# Altium PCB AIM2 REVB.PcbDoc (part 4 of 4)
Units mil, origin at the board's own origin, x right, y up, seen from the top; angles counter-clockwise.
Board outline 3797.01 x 3628.62 mil, 8 copper layers (TOP Copper, Internal Plane 2, Inner Layer 1, Internal Plane 4, Internal Plane 3, Inner Layer 2, Internal Plane 1, BOT Copper), stack 61.4 mil thick; 240 components, 185 nets, 1122 pads, 620 vias.
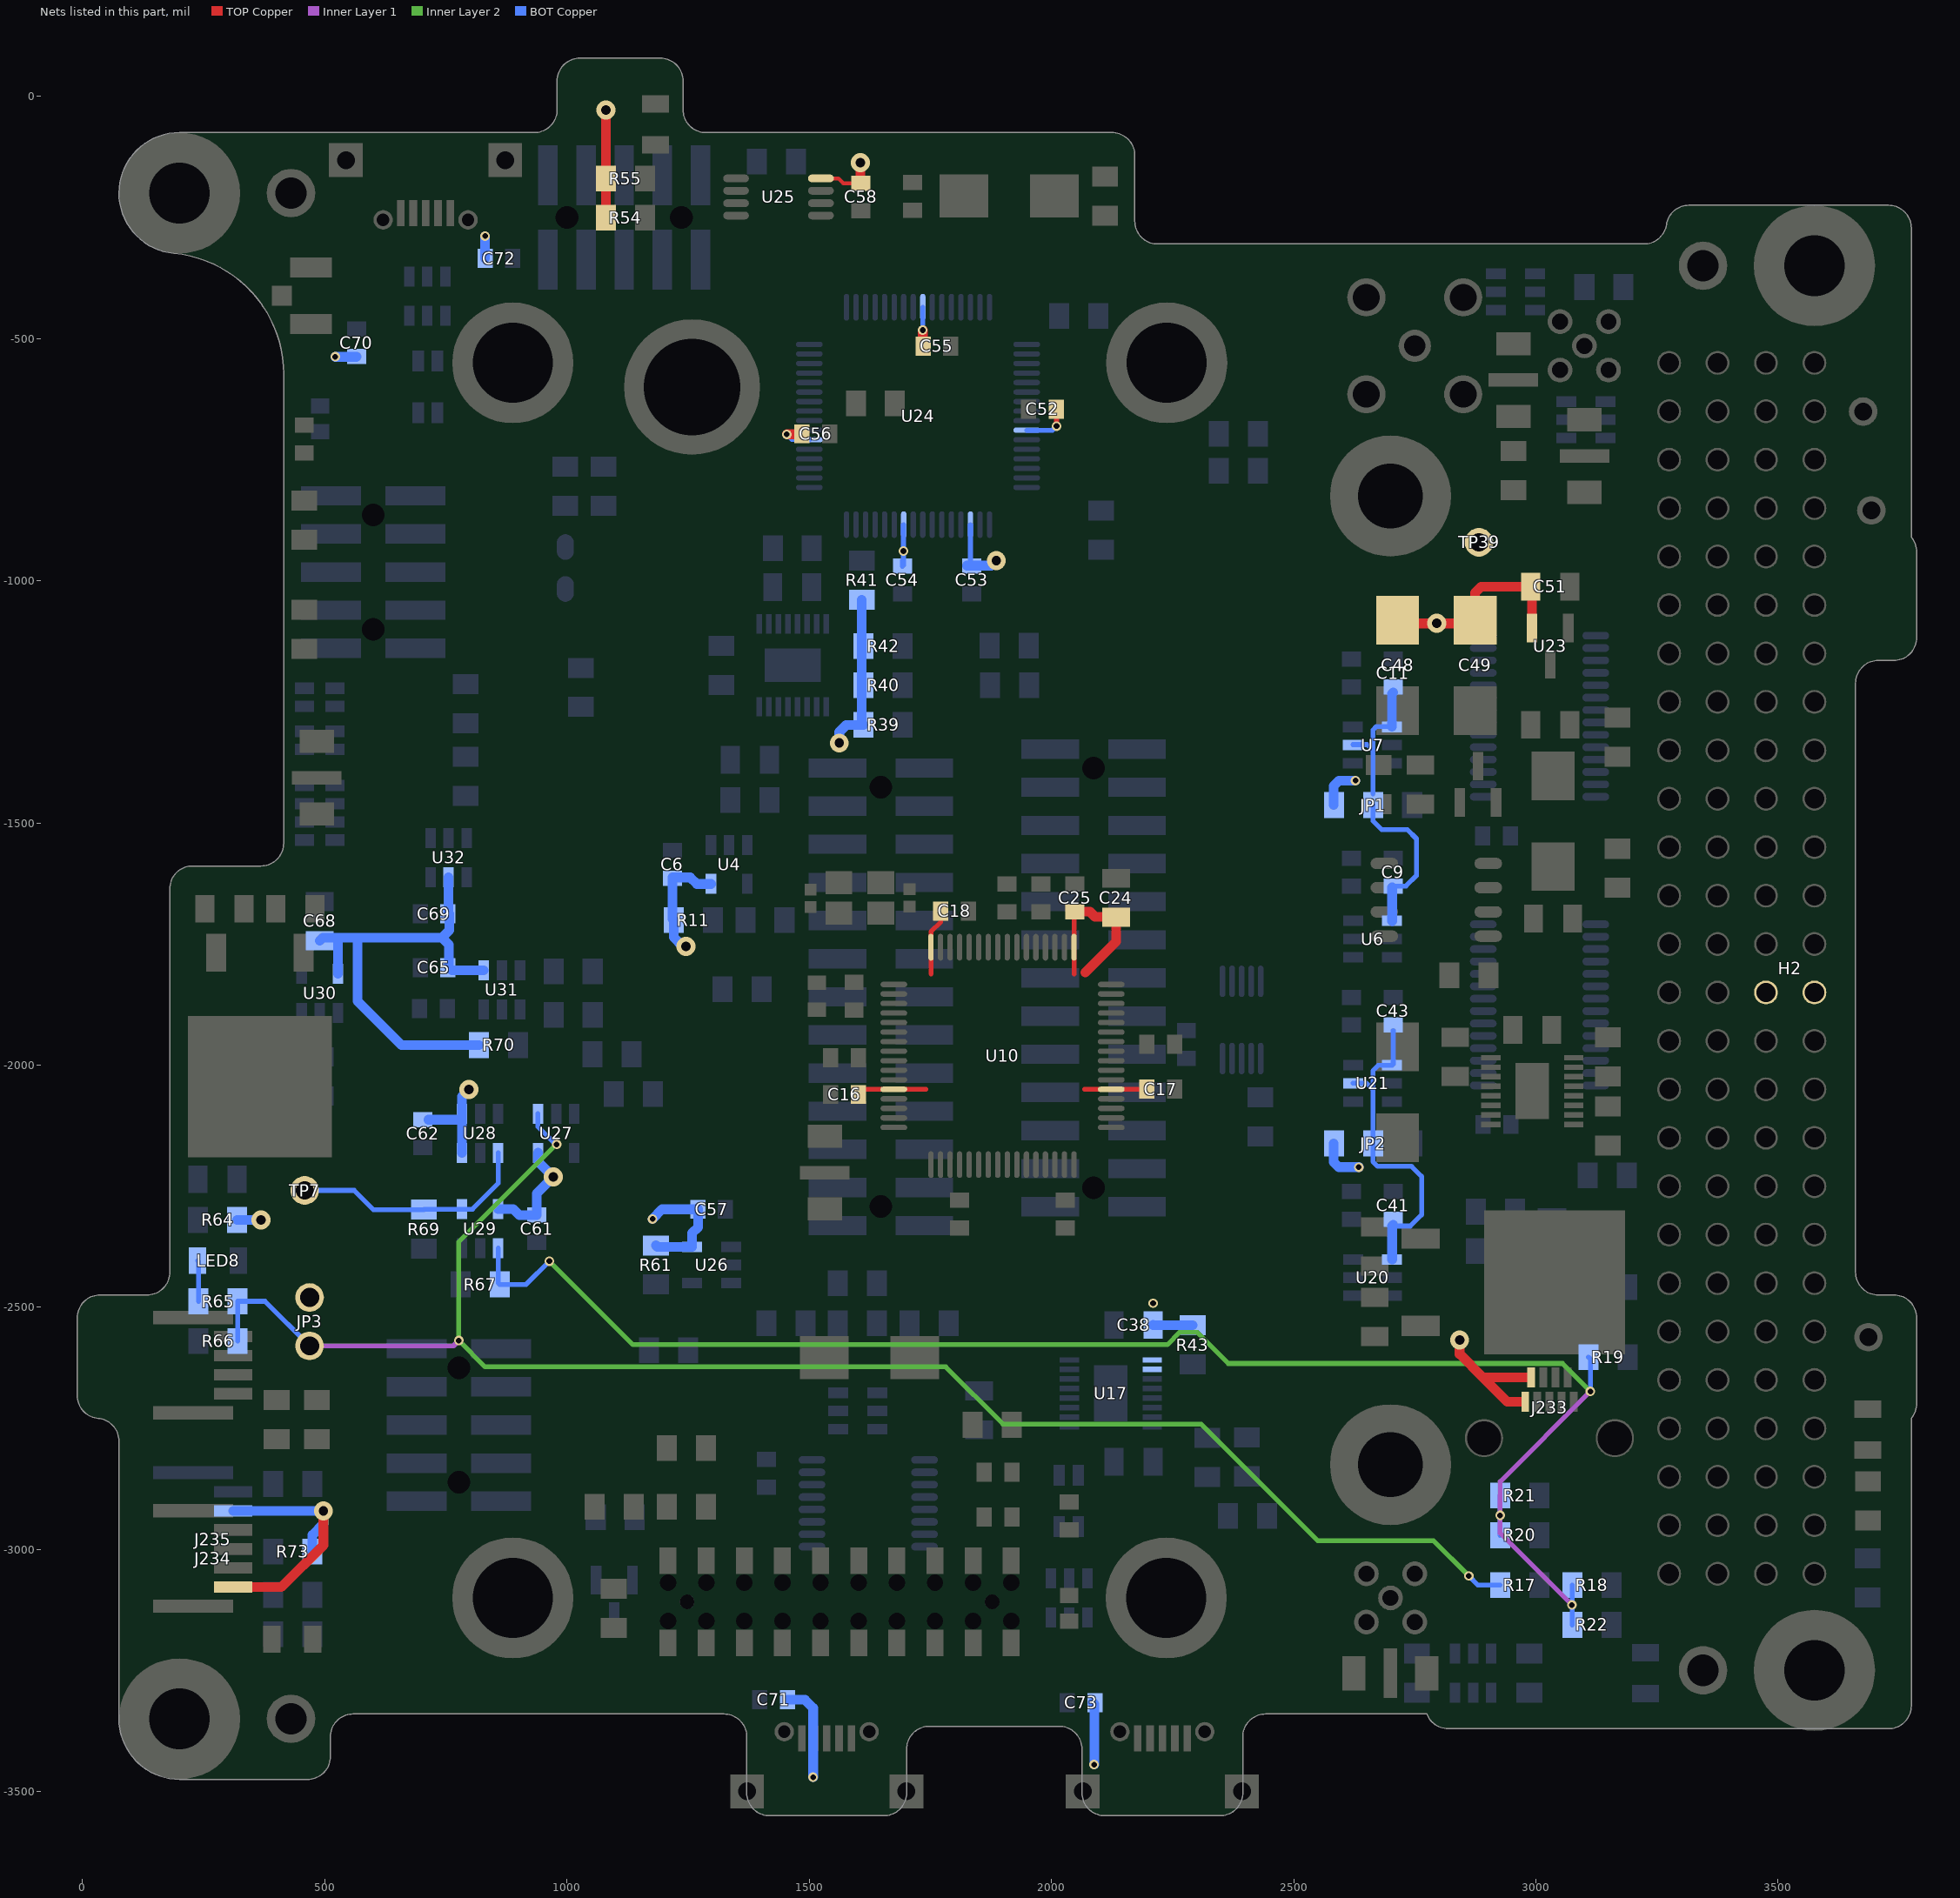
[diagram p10: the nets of this part, all layers, seen from the top]

## Via types
v1: diameter 19.68, hole 11.81, TOP Copper to BOT Copper, tented both sides, 337 vias
v2: diameter 30, hole 20, TOP Copper to BOT Copper, tented bottom, 144 vias
v3: diameter 39.37, hole 19.68, TOP Copper to BOT Copper, tented both sides, 83 vias
v4: diameter 30, hole 20, TOP Copper to BOT Copper, tented both sides, 56 vias

## Nets (pads, with @x,y where several pads share a name; then routed paths per layer and width w, separated by ;. In a path a pad name is that pad's centre, name@x,y a point inside that pad or via, vN(x,y) a via of type N, cw(c..) or ccw(c..) an arc to the next point about the centre after c; other vN are vias at no path point) (continued)
VCC_MCU: C6.2 C48.1 C49.1 C51.2 C52.2 C53.2 C54.2 C55.2 C56.2 C57.2 C58.2 C61.2 C62.2 J234.4 J235.5 JP1.1 JP2.1 JP3.1 R11.2 R39.2 R40.2 R41.2 R42.2 R54.2 R55.2 R61.2 R64.1 R73.2 TP39.1 U4.5 U23.2 U24.10 U24.19 U24.26 U24.38 U24.57 U25.8 U26.5 U27.5 U28.3 U28.4 U29.5 | length 3419.8
  TOP Copper w8: U25.8@1524.1,-169.24 1560.12,-169.24 1569.93,-179.05 C58.2@1606.5,-179.05
  TOP Copper w10: C55.2@1734.35,-515.04 C55.2@1734.93,-515.62 ; C52.2@2010.08,-645.62 2010.5,-646.05 v1(2010.5,-680.62)
  TOP Copper w20: J234.4@310.68,-3077.63 410.37,-3077.63 497.03,-2990.97 v3(497.03,-2920.15) ; R54.2@1080.15,-250.62 R55.2@1080.15,-169.62 v3(1080.15,-27.98) ; v1(1453.5,-697.62) 1483.93,-697.62 C56.2@1484.93,-696.62 ; v3(1605.5,-136.62) 1605.5,-178.05 C58.2@1606.5,-179.05 ; C55.2@1734.35,-515.04 v1(1734.35,-482.46) ; C48.1@2714.5,-1088.12 C49.1@2874.5,-1088.12 ; C49.1@2904.4,-1051.22 C49.1@2874.5,-1081.12 2874.5,-1024.62 2886.91,-1012.22 C51.2@2989.15,-1012.22 ; U23.2@2992.1,-1097.82 C51.2@2992.1,-1015.17
  BOT Copper w10: v1(1453.5,-697.62) 1464.5,-708.62 1499.88,-708.62 U24.38@1500.09,-708.83 ; C54.2@1692.5,-958.27 C54.2@1692.5,-970.05 1694.5,-968.05 v1(1694.5,-938.62) 1694.5,-884.5 U24.26@1694.98,-884.03 ; v1(1734.35,-482.46) U24.57@1734.35,-435.21 ; C53.2@1825.86,-968.62 C53.2@1832.86,-961.62 ; C53.2@1832.77,-961.53 U24.19@1832.77,-884.03 ; U24.10@1948.91,-689.15 2001.98,-689.15 v1(2010.5,-680.62)
  BOT Copper w20: J235.5@310.68,-2920.15 v3(497.03,-2920.15) 497.03,-2947.09 473.86,-2970.27 R73.2@473.86,-3004.62 ; R64.1@318.86,-2319.62 v3(368.5,-2319.62) ; C62.2@713.86,-2112.62 U28.4@779.5,-2112.62 ; U28.3@783.1,-2180.98 U28.4@783.1,-2100.27 783.1,-2065.02 v3(797.5,-2050.62) ; U29.5@857.91,-2297.27 889.15,-2297.27 901.5,-2309.62 937.5,-2309.62 C61.2@937.5,-2309.05 937.5,-2264.62 v3(971.5,-2230.62) 940.1,-2199.22 U27.5@940.1,-2180.98 ; v1(1176.5,-2317.62) 1196.5,-2297.62 C57.2@1269.93,-2297.62 1270.5,-2297.62 1270.5,-2334.62 1258.15,-2346.98 U26.5@1258.15,-2375.22 1186.46,-2375.22 R61.2@1183.5,-2372.27 ; v3(1245.5,-1754.62) 1238.5,-1754.62 1220.15,-1736.27 R11.2@1220.15,-1700.62 1217.5,-1697.98 C6.2@1217.5,-1614.2 1217.5,-1612.62 1254.5,-1612.62 1267.86,-1625.98 U4.5@1297.1,-1625.98 ; v3(1562,-1335) 1562,-1312 1576.38,-1297.62 R39.2@1612.15,-1297.62 1608.5,-1293.98 R41.2@1608.5,-1038.98 ; C53.2@1825.86,-968.62 1875.8,-968.62 v3(1886.15,-958.27) ; JP2.1@2582.8,-2161.62 2582.8,-2199.87 2593.54,-2210.62 v1(2634.5,-2210.62) ; JP1.1@2582.8,-1463.09 2582.8,-1423.33 2593.5,-1412.62 v1(2627.5,-1412.62)
  other v3: 2795.5,-1087.62
VCC_PIC: C65.2 C68.2 C69.2 R70.2 U30.5 U31.1 U32.5 | length 1023.2
  BOT Copper w20: C68.2@489.5,-1742.98 495.52,-1736.96 522.5,-1736.96 ; U30.5@526.91,-1811.27 526.91,-1741.36 522.5,-1736.96 ; U32.5@755.5,-1611.98 755.5,-1686.27 756.86,-1687.62 756.86,-1721.94 741.84,-1736.96 ; R70.2@818.15,-1958.62 658.5,-1958.62 567.5,-1867.62 567.5,-1736.96 ; U31.1@828.1,-1804.27 762.5,-1804.27 755.82,-1797.58 755.82,-1750.94 741.84,-1736.96 ; 522.5,-1736.96 567.5,-1736.96 ; 567.5,-1736.96 741.84,-1736.96
VCC_SYS: C38.2 C70.2 C71.2 C72.2 C73.2 H2.27 H2.28 J233.1 J233.6 R43.2 U17.1 U17.2 | length 801.4
  TOP Copper w20: v3(2842.5,-2567.62) 2842.5,-2596.62 2890.69,-2644.8 ; J233.1@2973.5,-2694.8 2940.69,-2694.8 2890.69,-2644.8 ; J233.6@2986.5,-2644.8 2890.69,-2644.8
  BOT Copper w20: v1(521.5,-537.62) 565.08,-537.62 C70.2@565.5,-537.2 ; C72.2@830.93,-334.62 v1(830.93,-288.42) ; C71.2@1455,-3310 1491,-3310 1508.05,-3327.05 v1@1508.05,-3470 ; C73.2@2085.57,-3316 2088.62,-3319.05 2088.62,-3443.38 v1(2088,-3444) ; C38.2@2209.86,-2536.52 2210.6,-2537.27 R43.2@2291.5,-2537.27
  other v1: 1508,-3470 2209.86,-2491.62
VCCA_ADCS: C9.2 C11.2 JP1.2 U6.1 U7.1 U7.5 | length 631.2
  BOT Copper w10: U7.5@2622.15,-1338.27 2651.5,-1338.27 2663.5,-1350.27 ; JP1.2@2663.5,-1463.09 2663.5,-1495.62 2681.5,-1513.62 2734.5,-1513.62 2753.5,-1532.62 2753.5,-1608.62 2731.93,-1630.2 C9.2@2705.5,-1630.2 ; JP1.2@2663.5,-1439.62 2663.5,-1350.27 ; U7.1@2702.86,-1300.87 2670.91,-1300.87 2663.5,-1308.27 2663.5,-1350.27
  BOT Copper w20: U7.1@2702.86,-1300.87 2702.86,-1233.27 C11.2@2705.5,-1230.62 ; U6.1@2703.21,-1702.22 C9.2@2703.21,-1633.27
VCCA_GPS: C41.2 C43.2 JP2.2 U20.1 U21.1 U21.5 | length 685.9
  BOT Copper w10: U21.5@2622.5,-2037.62 2650.5,-2037.62 2663.5,-2050.62 ; C41.2@2703.21,-2332.27 2740.86,-2332.27 2764.21,-2308.91 2764.21,-2229.91 2743.21,-2208.91 2673.21,-2208.91 2663.5,-2199.2 2663.5,-2050.62 ; C43.2@2705.5,-1928.98 2705.5,-1997.93 U21.1@2703.21,-2000.22 2674.91,-2000.22 2663.5,-2011.62 2663.5,-2050.62
  BOT Copper w20: U20.1@2703.21,-2401.22 2703.21,-2332.27 C41.2@2705.5,-2329.98
VCORE: C16.2 C17.2 C18.2 C24.2 C25.2 U10.12 U10.37 U10.49 U10.64 | length 784.5
  TOP Copper w10: C16.2@1590.86,-2049.62 1591.17,-2049.93 U10.12@1674.57,-2049.93 1740.5,-2049.93 ; 1751.34,-1811.46 U10.64@1751.34,-1756.62 1751.34,-1724.66 1771.42,-1704.57 C18.2@1771.42,-1682 ; 2046.61,-1811.51 U10.49@2046.61,-1756.62 2046.61,-1675.16 C25.2@2047.15,-1674.62 ; 2068.2,-2049.93 U10.37@2123.39,-2049.93 C17.2@2196.93,-2049.93
  TOP Copper w20: C25.2@2048.5,-1683.2 2079.2,-1683.2 2090,-1694 C24.2@2135,-1694 ; 2069.5,-1808.62 2133.5,-1744.62 C24.2@2133.5,-1694.98
WDI: R69.2 TP7.1 U28.1 U29.4 | length 501.4
  BOT Copper w10: TP7.1@458.5,-2258.62 560.5,-2258.62 600.15,-2298.27 R69.2@704.5,-2298.27 705.5,-2297.27 U29.4@783.1,-2297.27 804.73,-2297.27 857.91,-2244.09 U28.1@857.91,-2180.98
WDLED: LED8.2 R65.1 | length 84.7
  BOT Copper w10: LED8.2@237.38,-2403.62 239.15,-2405.39 R65.1@239.15,-2487.62
WDT: R18.2 R19.2 R20.2 R21.2 R22.2 R67.2 U29.1 | length 3296.1
  Inner Layer 1 w10: v1(3074.5,-3114.62) 2926.15,-2966.27 v1(2926.15,-2929.62) 2926.15,-2859.98 v1(3112.5,-2673.62)
  Inner Layer 2 w10: v1(963.5,-2404.62) 1135.88,-2577 2239.13,-2577 2264.5,-2551.62 2300.62,-2551.62 2365,-2616 3054.88,-2616 v1(3112.5,-2673.62)
  BOT Copper w10: U29.1@857.91,-2377.98 857.91,-2449.67 R67.2@860.86,-2452.62 915.5,-2452.62 v1(963.5,-2404.62) ; R20.2@2926.15,-2970.62 v1(2926.15,-2929.62) R21.2@2926.15,-2888.62 ; R22.2@3075.15,-3155.62 R18.2@3075.15,-3073.62 ; R19.2@3108.5,-2602.62 3112.5,-2606.62 v1(3112.5,-2673.62)
WDT_DIS: JP3.2 R17.1 R65.2 R66.2 U27.1 | length 3509.5
  Inner Layer 1 w10: JP3.2@468.5,-2579.62 765.5,-2579.62 v1(776.5,-2568.62)
  Inner Layer 2 w10: v1@978,-2163.12 776.5,-2364.62 v1(776.5,-2568.62) 830.88,-2623 1781.88,-2623 1899.82,-2740.94 2308.82,-2740.94 2549.5,-2981.62 2788.5,-2981.62 v1(2861.5,-3054.62)
  BOT Copper w10: R66.2@319.86,-2569.62 R65.2@319.86,-2487.62 376.5,-2487.62 JP3.2@468.5,-2579.62 ; U27.1@940.1,-2100.27 940.1,-2127.22 976.5,-2163.62 v1(978.5,-2163.62) ; v1(2861.5,-3054.62) 2880.5,-3073.62 R17.1@2926.15,-3073.62
pads on no net: H1.1 H1.2 H1.3 H1.4 H1.5 H1.6 H1.9 H1.10 H1.11 H1.12 H1.13 H1.14 H1.15 H1.16 H1.21 H1.22 H1.23 H1.24 H1.26 H1.27 H1.28 H1.30 H1.33 H1.34 H1.35 H1.36 H1.37 H1.38 H1.39 H1.40 H1.42 H1.44 H1.47 H2.1 H2.2 H2.3 H2.4 H2.5 H2.6 H2.7 H2.8 H2.9 H2.10 H2.11 H2.12 H2.13 H2.14 H2.19 H2.31 H2.33 H2.34 H2.35 H2.36 H2.37 H2.38 H2.39 H2.40 H2.41 H2.42 H2.43 H2.44 H2.45 H2.46 H2.48 H2.51 H2.52 H4. H5. H8. H10. H10.1 H10.2 H10.13 H10.15 H10.17 H10.19 H10.21 H10.23 H10.25 H10.26 H11. H11.7 H11.8 H11.9 H11.10 H11.11 H11.12 H11.13 H11.14 H11.15 H11.16 H11.17 H11.25 H11.26 J231.1.4 J231.2.4 J232.4 J238.1.4 J238.2.4 U1.11 U1.12 U1.13 U1.14 U1.15 U1.16 U2.9 U2.10 U2.11 U2.12 U2.13 U2.14 U5.3 U5.6 U5.9 U5.13 U5.14 U5.21 U5.24 U10.18 U10.19 U10.21 U10.22 U10.23 U10.24 U10.28 U10.29 U10.30 U10.32 U10.33 U10.34 U10.40 U10.41 U10.43 U10.44 U10.45 U10.46 U10.53 U10.54 U10.55 U10.57 U10.58 U10.59 U12. U12.1 U12.8 U12.20 U19.3 U19.4 U19.5 U19.13 U19.14 U19.25 U19.26 U24.35 U24.45 U24.51 U24.54 U24.58 U24.59 U25.1 U30.4 U33.9
copper on no net:
  other v3: 3208.5,-843.62

## Polygon pours and split planes (outlines as drawn)
GND on Top Solder "Top Copper -Solder mask" (solid): 542.5,-3344.62 1512.5,-3344.62 2253.5,-3344.62 2582.5,-3344.62 2582.5,-3035.22 cw(c2660.6,-3035.22) 2660.6,-2957.12 2749.4,-2957.12 ccw(c2749.4,-2879.02) 2827.5,-2879.02 2827.5,-2757.23 ccw(c2749.4,-2757.23) 2749.4,-2679.13 2685.6,-2679.13 cw(c2685.6,-2601.03) 2607.5,-2601.03 2607.5,-1048.21 cw(c2685.6,-1048.21) 2685.6,-970.11 2749.4,-970.11 ccw(c2749.4,-892.01) 2827.5,-892.01 2827.5,-770.22 ccw(c2749.4,-770.22) 2749.4,-692.12 2660.6,-692.12 cw(c2660.6,-614.02) 2582.5,-614.02 2582.5,-304.62 542.5,-304.62
VCORE on TOP Copper "Top Layer - VCORE" (solid, remove dead copper, pour order 0): 1740,-1784.62 1740,-1847.62 1702.5,-1885.12 1702.5,-2177.62 2095.5,-2177.62 2095.5,-1784.62
GND on TOP Copper "TOP Copper-GND" (solid, remove dead copper, pour order 10): 32,-2729.33 cw(c36,-2682.5) -11,-2682.5 -11,-2521.5 cw(c36,-2521.5) 36,-2474.5 133.02,-2474.5 ccw(c133.02,-2427.5) 180.02,-2427.5 180.02,-1635.69 cw(c226.89,-1635.69) 226.89,-1588.81 368.13,-1588.81 ccw(c368.13,-1541.94) 415,-1541.94 415,-572.98 ccw(c165,-572.98) 188.34,-324.08 cw(c200,-199.62) 200,-74.62 932.5,-74.62 ccw(c932.5,-27.62) 979.5,-27.62 979.5,32 cw(c1026.5,32) 1026.5,79 1192.5,79 cw(c1192.5,32) 1239.5,32 1239.5,-27.62 ccw(c1286.5,-27.62) 1286.5,-74.62 2243,-74.62 cw(c2243,-121.62) 2290,-121.62 2290,-257.62 ccw(c2337,-257.62) 2337,-304.62 3223.13,-304.62 ccw(c3223.13,-257.75) 3269.49,-264.67 cw(c3315.97,-271.62) 3315.97,-224.62 3728,-224.62 cw(c3728,-271.62) 3775,-271.62 3775,-909.5 cw(c3739.01,-939.72) 3786.01,-939.72 3786.01,-1117.5 cw(c3739.01,-1117.5) 3739.01,-1164.5 3707,-1164.5 ccw(c3707,-1211.5) 3660,-1211.5 3660,-2427.5 ccw(c3707,-2427.5) 3707,-2474.5 3739.01,-2474.5 cw(c3739.01,-2521.5) 3786.01,-2521.5 3786.01,-2699.28 cw(c3739.01,-2699.28) 3775,-2729.5 3775,-3323.01 cw(c3728,-3323.01) 3728,-3370.01 2818.97,-3370.01 cw(c2818.97,-3323.01) 2775,-3339.62 2422,-3339.62 ccw(c2422,-3386.62) 2375,-3386.62 2375,-3502.62 cw(c2328,-3502.62) 2328,-3549.62 1438.47,-3549.62 cw(c1438.47,-3502.62) 1391.47,-3502.62 1391.47,-3386.62 ccw(c1344.47,-3386.62) 1344.47,-3339.62 558.47,-3339.62 ccw(c558.47,-3386.62) 511.47,-3386.62 511.47,-3427.62 cw(c464.47,-3427.62) 464.47,-3474.62 200,-3474.62 cw(c200,-3349.62) 75,-3349.62 75,-2776.16 ccw(c28,-2776.16)
+5V_SW on BOT Copper "Bottom Layer +5V_SW" (solid, remove dead copper, pour order 8): 1417.86,-1404 1443,-1378.86 1443,-1295 1443,-1218 1363,-1218 1358,-1223 1358,-1297 1393,-1332 1393,-1404
+5V_ADCS_USB on BOT Copper "Bottom Layer +5V_ADCS_USB" (solid, remove dead copper, pour order 6): 1169,-855 1417,-855 1460,-898 1460,-1020 1479,-1039 1479,-1154.63 1347.63,-1154.63 1143,-950 1143,-881 1168,-856
3V3_GPS on BOT Copper "Bottom Layer - 3V3_GPS" (solid, remove dead copper, pour order 7): 2077.5,-2585.62 2077.5,-2770.62 2004.5,-2770.62 1957.5,-2770.62 1895.5,-2708.62 1890.5,-2703.62 1890.5,-2648.62 1953.5,-2585.62 1957.5,-2585.62
GND on BOT Copper "Bottom Layer - GND" (solid, remove dead copper, pour order 16): 32,-2729.33 cw(c36,-2682.5) -11,-2682.5 -11,-2521.5 cw(c36,-2521.5) 36,-2474.5 133.02,-2474.5 ccw(c133.02,-2427.5) 180.02,-2427.5 180.02,-1635.69 cw(c226.89,-1635.69) 226.89,-1588.81 368.13,-1588.81 ccw(c368.13,-1541.94) 415,-1541.94 415,-572.98 ccw(c165,-572.98) 188.34,-324.08 cw(c200,-199.62) 200,-74.62 932.5,-74.62 ccw(c932.5,-27.62) 979.5,-27.62 979.5,32 cw(c1026.5,32) 1026.5,79 1192.5,79 cw(c1192.5,32) 1239.5,32 1239.5,-27.62 ccw(c1286.5,-27.62) 1286.5,-74.62 2243,-74.62 cw(c2243,-121.62) 2290,-121.62 2290,-257.62 ccw(c2337,-257.62) 2337,-304.62 3223.13,-304.62 ccw(c3223.13,-257.75) 3269.49,-264.67 cw(c3315.97,-271.62) 3315.97,-224.62 3728,-224.62 cw(c3728,-271.62) 3775,-271.62 3775,-909.5 cw(c3739.01,-939.72) 3786.01,-939.72 3786.01,-1117.5 cw(c3739.01,-1117.5) 3739.01,-1164.5 3707,-1164.5 ccw(c3707,-1211.5) 3660,-1211.5 3660,-2427.5 ccw(c3707,-2427.5) 3707,-2474.5 3739.01,-2474.5 cw(c3739.01,-2521.5) 3786.01,-2521.5 3786.01,-2699.28 cw(c3739.01,-2699.28) 3775,-2729.5 3775,-3323.01 cw(c3728,-3323.01) 3728,-3370.01 2818.97,-3370.01 cw(c2818.97,-3323.01) 2775,-3339.62 2422,-3339.62 ccw(c2422,-3386.62) 2375,-3386.62 2375,-3502.62 cw(c2328,-3502.62) 2328,-3549.62 1438.47,-3549.62 cw(c1438.47,-3502.62) 1391.47,-3502.62 1391.47,-3386.62 ccw(c1344.47,-3386.62) 1344.47,-3339.62 558.47,-3339.62 ccw(c558.47,-3386.62) 511.47,-3386.62 511.47,-3427.62 cw(c464.47,-3427.62) 464.47,-3474.62 200,-3474.62 cw(c200,-3349.62) 75,-3349.62 75,-2776.16 ccw(c28,-2776.16)
ADCS_USB_V+ on Inner Layer 1 "Inner Layer 1 - 5V_ADCS_USB" (solid, remove dead copper, pour order 1): 1472.5,-2982.62 1472.5,-3549.62 1701,-3549.62 1701,-3050 1633.62,-2982.62
+5V_USB on Inner Layer 1 "Inner Layer 1 - +5V_USB" (solid, remove dead copper, pour order 2): 32,-2729.33 cw(c36,-2682.5) -11,-2682.5 -11,-2521.5 cw(c36,-2521.5) 36,-2474.5 133.02,-2474.5 ccw(c133.02,-2427.5) 180.02,-2427.5 180.02,-1635.69 cw(c226.89,-1635.69) 226.89,-1588.81 368.13,-1588.81 ccw(c368.13,-1541.94) 415,-1541.94 415,-572.98 ccw(c165,-572.98) 188.34,-324.08 cw(c200,-199.62) 200,-74.62 932.5,-74.62 ccw(c932.5,-27.62) 979.5,-27.62 979.5,32 cw(c1026.5,32) 1026.5,79 1192.5,79 cw(c1192.5,32) 1239.5,32 1239.5,-27.62 ccw(c1286.5,-27.62) 1286.5,-74.62 2243,-74.62 cw(c2243,-121.62) 2290,-121.62 2290,-257.62 ccw(c2337,-257.62) 2337,-304.62 3223.13,-304.62 ccw(c3223.13,-257.75) 3269.49,-264.67 cw(c3315.97,-271.62) 3315.97,-224.62 3728,-224.62 cw(c3728,-271.62) 3775,-271.62 3775,-909.5 cw(c3739.01,-939.72) 3786.01,-939.72 3786.01,-1117.5 cw(c3739.01,-1117.5) 3739.01,-1164.5 3707,-1164.5 ccw(c3707,-1211.5) 3660,-1211.5 3660,-2427.5 ccw(c3707,-2427.5) 3707,-2474.5 3739.01,-2474.5 cw(c3739.01,-2521.5) 3786.01,-2521.5 3786.01,-2699.28 cw(c3739.01,-2699.28) 3775,-2729.5 3775,-3323.01 cw(c3728,-3323.01) 3728,-3370.01 2818.97,-3370.01 cw(c2818.97,-3323.01) 2775,-3339.62 2422,-3339.62 ccw(c2422,-3386.62) 2375,-3386.62 2375,-3502.62 cw(c2328,-3502.62) 2328,-3549.62 1438.47,-3549.62 cw(c1438.47,-3502.62) 1391.47,-3502.62 1391.47,-3386.62 ccw(c1344.47,-3386.62) 1344.47,-3339.62 558.47,-3339.62 ccw(c558.47,-3386.62) 511.47,-3386.62 511.47,-3427.62 cw(c464.47,-3427.62) 464.47,-3474.62 200,-3474.62 cw(c200,-3349.62) 75,-3349.62 75,-2776.16 ccw(c28,-2776.16)
GND on Inner Layer 1 "Inner Layer 1 - GND" (solid, remove dead copper, pour order 12): 32,-2729.33 cw(c36,-2682.5) -11,-2682.5 -11,-2521.5 cw(c36,-2521.5) 36,-2474.5 133.02,-2474.5 ccw(c133.02,-2427.5) 180.02,-2427.5 180.02,-1635.69 cw(c226.89,-1635.69) 226.89,-1588.81 368.13,-1588.81 ccw(c368.13,-1541.94) 415,-1541.94 415,-572.98 ccw(c165,-572.98) 188.34,-324.08 cw(c200,-199.62) 200,-74.62 932.5,-74.62 ccw(c932.5,-27.62) 979.5,-27.62 979.5,32 cw(c1026.5,32) 1026.5,79 1192.5,79 cw(c1192.5,32) 1239.5,32 1239.5,-27.62 ccw(c1286.5,-27.62) 1286.5,-74.62 2243,-74.62 cw(c2243,-121.62) 2290,-121.62 2290,-257.62 ccw(c2337,-257.62) 2337,-304.62 3223.13,-304.62 ccw(c3223.13,-257.75) 3269.49,-264.67 cw(c3315.97,-271.62) 3315.97,-224.62 3728,-224.62 cw(c3728,-271.62) 3775,-271.62 3775,-909.5 cw(c3739.01,-939.72) 3786.01,-939.72 3786.01,-1117.5 cw(c3739.01,-1117.5) 3739.01,-1164.5 3707,-1164.5 ccw(c3707,-1211.5) 3660,-1211.5 3660,-2427.5 ccw(c3707,-2427.5) 3707,-2474.5 3739.01,-2474.5 cw(c3739.01,-2521.5) 3786.01,-2521.5 3786.01,-2699.28 cw(c3739.01,-2699.28) 3775,-2729.5 3775,-3323.01 cw(c3728,-3323.01) 3728,-3370.01 2818.97,-3370.01 cw(c2818.97,-3323.01) 2775,-3339.62 2422,-3339.62 ccw(c2422,-3386.62) 2375,-3386.62 2375,-3502.62 cw(c2328,-3502.62) 2328,-3549.62 1438.47,-3549.62 cw(c1438.47,-3502.62) 1391.47,-3502.62 1391.47,-3386.62 ccw(c1344.47,-3386.62) 1344.47,-3339.62 558.47,-3339.62 ccw(c558.47,-3386.62) 511.47,-3386.62 511.47,-3427.62 cw(c464.47,-3427.62) 464.47,-3474.62 200,-3474.62 cw(c200,-3349.62) 75,-3349.62 75,-2776.16 ccw(c28,-2776.16)
+5V_SYS on Inner Layer 2 "Inner Layer 2 +5V SYS" (solid, remove dead copper, pour order 4): 32,-2729.33 cw(c36,-2682.5) -11,-2682.5 -11,-2521.5 cw(c36,-2521.5) 36,-2474.5 133.02,-2474.5 ccw(c133.02,-2427.5) 180.02,-2427.5 180.02,-1635.69 cw(c226.89,-1635.69) 226.89,-1588.81 368.13,-1588.81 ccw(c368.13,-1541.94) 415,-1541.94 415,-572.98 ccw(c165,-572.98) 188.34,-324.08 cw(c200,-199.62) 200,-74.62 932.5,-74.62 ccw(c932.5,-27.62) 979.5,-27.62 979.5,32 cw(c1026.5,32) 1026.5,79 1192.5,79 cw(c1192.5,32) 1239.5,32 1239.5,-27.62 ccw(c1286.5,-27.62) 1286.5,-74.62 2243,-74.62 cw(c2243,-121.62) 2290,-121.62 2290,-257.62 ccw(c2337,-257.62) 2337,-304.62 3223.13,-304.62 ccw(c3223.13,-257.75) 3269.49,-264.67 cw(c3315.97,-271.62) 3315.97,-224.62 3728,-224.62 cw(c3728,-271.62) 3775,-271.62 3775,-909.5 cw(c3739.01,-939.72) 3786.01,-939.72 3786.01,-1117.5 cw(c3739.01,-1117.5) 3739.01,-1164.5 3707,-1164.5 ccw(c3707,-1211.5) 3660,-1211.5 3660,-2427.5 ccw(c3707,-2427.5) 3707,-2474.5 3739.01,-2474.5 cw(c3739.01,-2521.5) 3786.01,-2521.5 3786.01,-2699.28 cw(c3739.01,-2699.28) 3775,-2729.5 3775,-3323.01 cw(c3728,-3323.01) 3728,-3370.01 2818.97,-3370.01 cw(c2818.97,-3323.01) 2775,-3339.62 2422,-3339.62 ccw(c2422,-3386.62) 2375,-3386.62 2375,-3502.62 cw(c2328,-3502.62) 2328,-3549.62 1438.47,-3549.62 cw(c1438.47,-3502.62) 1391.47,-3502.62 1391.47,-3386.62 ccw(c1344.47,-3386.62) 1344.47,-3339.62 558.47,-3339.62 ccw(c558.47,-3386.62) 511.47,-3386.62 511.47,-3427.62 cw(c464.47,-3427.62) 464.47,-3474.62 200,-3474.62 cw(c200,-3349.62) 75,-3349.62 75,-2776.16 ccw(c28,-2776.16)
GND on Inner Layer 2 "Inner Layer 2 - GND" (solid, remove dead copper, pour order 14): 32,-2729.33 cw(c36,-2682.5) -11,-2682.5 -11,-2521.5 cw(c36,-2521.5) 36,-2474.5 133.02,-2474.5 ccw(c133.02,-2427.5) 180.02,-2427.5 180.02,-1635.69 cw(c226.89,-1635.69) 226.89,-1588.81 368.13,-1588.81 ccw(c368.13,-1541.94) 415,-1541.94 415,-572.98 ccw(c165,-572.98) 188.34,-324.08 cw(c200,-199.62) 200,-74.62 932.5,-74.62 ccw(c932.5,-27.62) 979.5,-27.62 979.5,32 cw(c1026.5,32) 1026.5,79 1192.5,79 cw(c1192.5,32) 1239.5,32 1239.5,-27.62 ccw(c1286.5,-27.62) 1286.5,-74.62 2243,-74.62 cw(c2243,-121.62) 2290,-121.62 2290,-257.62 ccw(c2337,-257.62) 2337,-304.62 3223.13,-304.62 ccw(c3223.13,-257.75) 3269.49,-264.67 cw(c3315.97,-271.62) 3315.97,-224.62 3728,-224.62 cw(c3728,-271.62) 3775,-271.62 3775,-909.5 cw(c3739.01,-939.72) 3786.01,-939.72 3786.01,-1117.5 cw(c3739.01,-1117.5) 3739.01,-1164.5 3707,-1164.5 ccw(c3707,-1211.5) 3660,-1211.5 3660,-2427.5 ccw(c3707,-2427.5) 3707,-2474.5 3739.01,-2474.5 cw(c3739.01,-2521.5) 3786.01,-2521.5 3786.01,-2699.28 cw(c3739.01,-2699.28) 3775,-2729.5 3775,-3323.01 cw(c3728,-3323.01) 3728,-3370.01 2818.97,-3370.01 cw(c2818.97,-3323.01) 2775,-3339.62 2422,-3339.62 ccw(c2422,-3386.62) 2375,-3386.62 2375,-3502.62 cw(c2328,-3502.62) 2328,-3549.62 1438.47,-3549.62 cw(c1438.47,-3502.62) 1391.47,-3502.62 1391.47,-3386.62 ccw(c1344.47,-3386.62) 1344.47,-3339.62 558.47,-3339.62 ccw(c558.47,-3386.62) 511.47,-3386.62 511.47,-3427.62 cw(c464.47,-3427.62) 464.47,-3474.62 200,-3474.62 cw(c200,-3349.62) 75,-3349.62 75,-2776.16 ccw(c28,-2776.16)
GND on Internal Plane 2 (split plane): 604 vertices, not listed, extent 9.05,-3529.57 3765.96,58.95
+5V_SW on Internal Plane 4 (split plane): 3080.9,-1933.23 3082.55,-1934.33 3084.5,-1934.72 3639.91,-1934.72 3639.91,-2427.5 3639.94,-2427.83 3640.25,-2434.08 3641.21,-2440.59 3642.81,-2446.98 3645.03,-2453.17 3647.84,-2459.13 3651.23,-2464.77 3655.15,-2470.06 3659.57,-2474.94 3664.45,-2479.36 3669.74,-2483.28 3675.38,-2486.66 3681.33,-2489.48 3687.53,-2491.7 3693.92,-2493.3 3700.43,-2494.26 3706.68,-2494.57 3707,-2494.6 3739.01,-2494.6 3739.46,-2494.56 3743.23,-2494.85 3747.35,-2495.84 3751.26,-2497.46 3754.87,-2499.67 3758.09,-2502.42 3760.84,-2505.64 3763.05,-2509.25 3764.67,-2513.17 3765.66,-2517.28 3765.96,-2521.05 3765.91,-2521.5 3765.91,-2635.52 3054.62,-2635.52 2828.11,-2409.02 2826.46,-2407.91 2824.5,-2407.52 1929.62,-2407.52 1311.6,-1789.51 1311.6,-1541.73 1429.62,-1423.72 2571.39,-1423.72
VCC_SYS on Internal Plane 4 (split plane): 599 vertices, not listed, extent 9.05,-3529.57 3765.96,58.95
3V3_ADCS_USB on Internal Plane 3 (split plane): 2382.41,-1708.73 2382.41,-2423.51 1808.39,-2997.52 1522.62,-2997.52 1310.6,-2785.51 1310.6,-2249.62 1310.6,-2240.62 1310.21,-2238.67 1309.11,-2237.02 1064.11,-1992.02 1062.46,-1990.91 1060.5,-1990.52 200.11,-1990.52 200.11,-1635.69 200.07,-1635.24 200.36,-1631.48 201.35,-1627.39 202.96,-1623.49 205.16,-1619.9 207.9,-1616.69 211.1,-1613.96 214.7,-1611.75 218.59,-1610.14 222.69,-1609.16 226.44,-1608.86 226.89,-1608.91 368.13,-1608.91 368.46,-1608.87 374.69,-1608.57 381.19,-1607.6 387.57,-1606.01 393.75,-1603.79 399.69,-1600.98 405.33,-1597.61 410.61,-1593.69 415.47,-1589.28 419.89,-1584.41 423.8,-1579.13 427.18,-1573.5 429.99,-1567.56 432.2,-1561.37 433.8,-1555 434.76,-1548.5 435.07,-1542.26 435.1,-1541.94 435.1,-1520.72 524.39,-1520.72 693.8,-1690.13 847.9,-1844.23 849.55,-1845.33 851.5,-1845.72 1284.5,-1845.72 1286.46,-1845.33 1288.11,-1844.23 1309.11,-1823.23 1310.21,-1821.57 1310.6,-1819.62 1310.6,-1552.73 1384.62,-1478.72 2152.39,-1478.72
+5V_SYS on Internal Plane 3 (split plane): 3732.23,-244.97 3736.34,-245.96 3740.25,-247.58 3743.86,-249.79 3747.08,-252.54 3749.83,-255.76 3752.05,-259.37 3753.67,-263.28 3754.66,-267.4 3754.95,-271.17 3754.91,-271.62 3754.91,-909.5 3755.29,-913.42 3756.44,-917.19 3758.29,-920.67 3759.69,-922.36 3759.61,-922.43 3760.84,-923.86 3763.05,-927.47 3764.67,-931.39 3765.66,-935.5 3765.96,-939.27 3765.91,-939.72 3765.91,-1117.5 3765.96,-1117.95 3765.66,-1121.72 3764.67,-1125.84 3763.05,-1129.75 3760.84,-1133.36 3758.09,-1136.58 3754.87,-1139.33 3751.26,-1141.55 3747.35,-1143.17 3743.23,-1144.15 3739.46,-1144.45 3739.01,-1144.41 3707,-1144.41 3706.68,-1144.44 3700.43,-1144.75 3693.92,-1145.71 3687.53,-1147.31 3681.33,-1149.53 3675.38,-1152.34 3669.74,-1155.73 3664.45,-1159.65 3659.57,-1164.07 3655.15,-1168.95 3651.23,-1174.24 3647.84,-1179.88 3645.03,-1185.83 3642.81,-1192.03 3641.21,-1198.42 3640.25,-1204.93 3639.94,-1211.18 3639.91,-1211.5 3639.91,-2427.5 3639.94,-2427.83 3640.25,-2434.08 3641.21,-2440.59 3642.81,-2446.98 3645.03,-2453.17 3647.84,-2459.13 3651.23,-2464.77 3655.15,-2470.06 3659.57,-2474.94 3664.45,-2479.36 3669.74,-2483.28 3675.38,-2486.66 3681.33,-2489.48 3687.53,-2491.7 3693.92,-2493.3 3700.43,-2494.26 3706.68,-2494.57 3707,-2494.6 3739.01,-2494.6 3739.46,-2494.56 3743.23,-2494.85 3747.35,-2495.84 3751.26,-2497.46 3754.87,-2499.67 3758.09,-2502.42 3760.84,-2505.64 3763.05,-2509.25 3764.67,-2513.17 3765.66,-2517.28 3765.96,-2521.05 3765.91,-2521.5 3765.91,-2699.28 3765.96,-2699.73 3765.66,-2703.5 3764.67,-2707.62 3763.05,-2711.53 3760.84,-2715.14 3759.61,-2716.58 3759.69,-2716.64 3758.29,-2718.34 3756.44,-2721.81 3755.29,-2725.58 3754.91,-2729.5 3754.91,-3323.01 3754.95,-3323.46 3754.66,-3327.23 3753.67,-3331.35 3752.05,-3335.26 3749.83,-3338.87 3747.08,-3342.09 3743.86,-3344.84 3740.25,-3347.05 3736.34,-3348.67 3732.23,-3349.66 3728.46,-3349.95 3728,-3349.91 3101.6,-3349.91 3101.6,-324.72 3223.13,-324.72 3223.46,-324.69 3229.69,-324.38 3236.19,-323.42 3242.57,-321.82 3248.75,-319.61 3254.69,-316.8 3260.33,-313.42 3265.61,-309.5 3270.47,-305.09 3274.89,-300.22 3278.8,-294.95 3282.18,-289.31 3284.99,-283.37 3287.2,-277.18 3288.8,-270.81 3289.06,-269.07 3289.2,-268.6 3289.29,-267.63 3289.3,-267.64 3289.32,-267.4 3290.31,-263.28 3291.93,-259.37 3294.14,-255.76 3296.89,-252.54 3300.11,-249.79 3303.72,-247.58 3307.64,-245.96 3311.75,-244.97 3315.52,-244.67 3315.97,-244.72 3728,-244.72 3728.46,-244.67
VCC_MCU on Internal Plane 3 (split plane): 466 vertices, not listed, extent 9.05,-3529.57 3091.41,58.95
GND on Internal Plane 1 (split plane): 604 vertices, not listed, extent 9.05,-3529.57 3765.96,58.95

## Keep-outs
BOT Copper:
  rectangle: 3739,-2730 3786,-2475
  rectangle: 3739,-1165 3786,-910
  rectangle: 980,32 1240,79
  rectangle: -11,-2730 36,-2475
Internal Plane 1:
  rectangle: 502.5,-415.62 537.5,-355.62
  rectangle: 2077.5,-3466.62 2122.5,-3420.62
Keep-Out Layer:
  the board outline again, w10
  text "'.PartNumber''.ProjectRevision'" at 169,520.66 h196.85

## Other copper
TOP Copper:
  rectangle: 200.05,-3474.62 500,-3224.62
  rectangle: 200.05,-324.62 500,-74.62
  region: 3575.05,-224.62 3275,-224.62 3275,-474.62 3575.05,-474.62
  region: 3275,-3370.01 3275,-3124.62 3575,-3124.62 cw(c3575,-3249.62) 3608.65,-3370.01
  text "Layer 1 (TOP)" at 1227.06,515.38 h196.85
  text "GND" at 110.5,-2851.62 h39.37
Inner Layer 1:
  text "Layer 3" at 1227.06,528.68 h196.85
  text "+5V_USB" at 3376.5,-3136.62 h39.37
Inner Layer 2:
  text "Layer 6" at 1227.06,530.32 h196.85
  text "+5V_SYS" at 277,-305 h39.37
BOT Copper:
  rectangle: 200.05,-3474.62 500,-3224.62
  rectangle: 200.05,-324.62 500,-74.62
  region: 3575.05,-224.62 3275,-224.62 3275,-474.62 3575.05,-474.62
  rectangle net 3V3_GPS_USB: 2187.5,-2848.62 2283.5,-2727.62
  rectangle net VCC_SYS: 2187.5,-2633.62 2229.5,-2473.62
  region: 3275,-3370.01 3275,-3124.62 3575,-3124.62 cw(c3575,-3249.62) 3608.65,-3370.01
  text "Layer 8 (BOTTOM)" at 1227.06,515.38 h196.85
  text "GND" at 1751,-210 h39.37
Internal Plane 2 (plane layer: these items are gaps in the copper):
  text "Layer 2 (GND)" at 1227.06,515.38 h196.85
  text "GND" at 115.5,-2852.62 h39.37
Internal Plane 1 (plane layer: these items are gaps in the copper):
  text "Layer 7 (GND)" at 1227.06,515.38 h196.85
  text "GND" at 31.5,-2685.62 h39.37
Internal Plane 3 (plane layer: these items are gaps in the copper):
  lines w10: 177.5,-1993.62 179.5,-1995.62 1060.5,-1995.62 1305.5,-2240.62 1305.5,-2260.62 ; 405.5,-1575.62 405.5,-1515.62 526.5,-1515.62 697.41,-1686.52 851.5,-1840.62 951.5,-1840.62 1284.5,-1840.62 1305.5,-1819.62 1305.5,-1550.62 1382.5,-1473.62 2154.5,-1473.62 2387.5,-1706.62 2387.5,-2425.62 1810.5,-3002.62 1520.5,-3002.62 1305.5,-2787.62 1305.5,-2249.62 ; 3096.5,-3375.62 3096.5,-311.62
  text "Layer 5 (PWR)" at 1227.06,515.38 h196.85
  text "3V3_ / ADCS / _USB" at 1993.5,-1683.62 h39.37
  text "VCC_MCU" at 25.5,-2686.62 h39.37
  text "+5V_SYS" at 3335.5,-3158.62 h39.37
Internal Plane 4 (plane layer: these items are gaps in the copper):
  lines w10: 3660.5,-1929.62 3084.5,-1929.62 2573.5,-1418.62 1427.5,-1418.62 1306.5,-1539.62 1306.5,-1791.62 1927.5,-2412.62 2824.5,-2412.62 3052.5,-2640.62 3783.5,-2640.62
  text "Layer 4 (PWR)" at 1227.06,515.38 h196.85
  text "+5V_SW" at 1952.5,-2389.62 h39.37
  text "VCC_SYS" at 49.5,-2696.62 h39.37

## Silkscreen, mask and mechanical layers (free items; w line width, h text height)
Top Overlay:
  circle w15: c3153.5,-3260.62 r40
  lines w10: 2988.5,-3260.62 3003.5,-3260.62 ; 2988.5,-3260.62 3023.5,-3225.62 3023.5,-3295.62 2988.5,-3260.62 ; 3003.5,-3260.62 3003.5,-3255.62 3018.5,-3240.62 3018.5,-3280.62 3003.5,-3265.62 3003.5,-3260.62 ; 3153.5,-3110.62 3153.5,-3095.62 ; 3153.5,-3110.62 3148.5,-3110.62 3133.5,-3125.62 3173.5,-3125.62 3158.5,-3110.62 3153.5,-3110.62 ; 3153.5,-3095.62 3118.5,-3130.62 3188.5,-3130.62 3153.5,-3095.62
  lines w20: 3003.5,-3260.62 3153.5,-3260.62 3153.5,-3110.62
  text "Top Silkscreen" at 1227.06,520.66 h196.85
  text "X" at 3121.5,-3089.62 h30
  text "DJW" at 3757.5,-3178.62 h39.37 r90
  text "Y" at 2934.5,-3279.62 h30
  text "Z" at 3172.5,-3330.62 h30
Bottom Overlay:
  rectangle: 1842.04,-280.11 2137.31,-96.05
  rectangle: 2931.68,-951.11 3226.96,-767.05
  rectangle: 1509.39,-280.11 1804.67,-96.05
  lines w6.57: 2364.43,-1547.36 2364.43,-816.29 ; 2371,-1547.36 2371,-816.29 ; 2311.86,-1547.36 2537.75,-1547.36 2537.75,-816.29 2311.86,-816.29 2311.86,-1547.36
  lines w10: 1331,-971 1570,-971
  text "Bottom Silkscreen" at 1227.06,520.66 h196.85
  text "Bottom Silkscreen" at 4567.48,520.66 h196.85
  text "S/N" at 1509.39,-290.6 h39.37 r180
  text "MOD LVL" at 1840.07,-290.6 h39.37 r180
  text "X1" at 452.5,-411.62 h39.37 r270
  text "TM" at 2522.23,-809.4 h28.75 r270
  text "ASSY REV" at 2928.45,-969.47 h39.37 r180
  text "SPACE SYSTEMS" at 2325,-1112 h41.07 r270
  text "www.cubesatkit.com" at 2265.04,-1140.75 h24.64 r270
  text "PUMPKIN" at 2404.68,-1512.03 h156.07 r270
  text "(C) 2018 /  PUMPKIN, Inc." at 1089,-1520 h39.37 r270
  text "www.pumpkininc.com" at 2265.04,-1546.53 h24.64 r270
  text "made in U.S.A." at 3020.5,-2668.62 h39.37
  text "CAGE 4LEJ8" at 939.5,-3309.62 h39.37
  text "PCB: '.PartNumber' REV '.ProjectRevision' / ASSY: 710-01846 REV '.ProjectRevision'" at 2989,-3309.62 h39.37
  text "X2" at 2287,-3462 h39.37
Top Paste:
  text "Top Solder Paste" at 1227.06,521.57 h196.85
Bottom Paste:
  text "Bottom Solder Paste" at 1227.06,521.57 h196.85
Top Solder:
  pour cut-out: 1446.5,-732.62 1446.5,-602 1706.25,-602 1706.25,-732.62 1565.5,-732.62
  pour cut-out: 1695,-595.62 1695,-471.62 1826,-471.62 1826,-595.62
  pour cut-out: 1912.5,-681.62 1912.5,-566.62 2043.5,-566.62 2043.5,-681.62
  pour cut-out: 1012.5,-3247.62 1012.5,-2699.28 1324.5,-2699.28 1324.5,-2933.62 1697.5,-2933.62 1697.5,-2689 1462,-2689 1462,-2474.5 1957.5,-2474.5 1957.5,-2812.62 2111.65,-2812.62 2111.65,-3247.62 1324.5,-3247.62
  pour cut-out: 1720.5,-2411.62 1720.5,-2341 1364,-2341 1364,-1494.62 2292.5,-1494.62 2292.5,-2180.62 2099.5,-2180.62 2099.5,-2411.62
  pour cut-out: 2413.5,-1937.64 cw(c2413.5,-1912.62) 2388.48,-1912.62 cw(c2413.5,-1912.62) 2413.5,-1887.6 cw(c2413.5,-1912.62) 2438.52,-1912.62 cw(c2413.5,-1912.62)
  pour cut-out: 1048.5,-3184.64 cw(c1048.5,-3159.62) 1023.48,-3159.62 cw(c1048.5,-3159.62) 1048.5,-3134.6 cw(c1048.5,-3159.62) 1073.52,-3159.62 cw(c1048.5,-3159.62)
  pour cut-out: 711.5,-516.64 cw(c711.5,-491.62) 686.48,-491.62 cw(c711.5,-491.62) 711.5,-466.6 cw(c711.5,-491.62) 736.52,-491.62 cw(c711.5,-491.62)
  pour cut-out: 1386.93,-532.53 cw(c1386.93,-507.51) 1361.91,-507.51 cw(c1386.93,-507.51) 1386.93,-482.49 cw(c1386.93,-507.51) 1411.95,-507.51 cw(c1386.93,-507.51)
  pour cut-out: 1113.5,-503.64 cw(c1113.5,-478.62) 1088.48,-478.62 cw(c1113.5,-478.62) 1113.5,-453.6 cw(c1113.5,-478.62) 1138.52,-478.62 cw(c1113.5,-478.62)
  text "Top Soldermask" at 1227.06,284.92 h196.85
Bottom Solder:
  rectangle: 2166.5,-3466.62 2211.5,-3420.62
  rectangle: 502.5,-415.62 537.5,-355.62
  text "Bottom Soldermask" at 1227.06,284.92 h196.85
  text "Bottom Soldermask" at 4567.48,284.92 h196.85
Mechanical 1:
  lines w10: 0,-3481.57 0,-12.57 0,0 3.05,0 3820.05,0 ; 1393,-3560 2255,-3560 ; 1633,-3725 1633,-3441 ; 2133,-3730 2133,-3446
Mechanical 2:
  text "Mechanical Drawing" at 1227.06,520.66 h196.85
  text "FABRICATION NOTES: / ---------------------------------------------------- / 1.  ALL DIMENSIONS IN INCHES / 2.  SCALE IS 1:1 / 4.  SMOBC BOTH SIDES. COLOR: BLUE / 5.  SOLDERMASK IS LPI, SEMI-GLOSS FINISH / 6.  SILKSCREEN LEGEND WHITE / 7.  SILKSCREEN TOP AND BOTTOM / 8.  FINAL BOARD THICKNESS = 0.062\" / 9.  FINAL COPPER THICKNESS = 1oz / 10. 8 CIRCUIT LAYERS, STACKUP /     //4.6mil//8mil//8.4mil//8mil//8.4mil//8mil//4.6mil// / 11. MINIMUM SPACING 0.007\" / 12. MINIMUM SMD PITCH IS 0.020\" / 13. SURFACEMOUNT  COMPONENTS TOP AND BOTTOM / 14. DO NOT ADD TOOLING HOLES / 16. NUMBER OF SMD PADS: 909 / 17. NUMBER OF HOLES: 796 / 18. SMALLEST HOLE IS 0.3mm / 19. ENTIRE BOARD TO BE IMMERSION GOLD 2 MICROINCHES /     MINIMUM OVER ELECTROLESS NICKEL 150 MICROINCHES  /     PER IPC-4552" at 3985.5,-377.62 h157.48
Drill Drawing:
  drawing of 158 lines, arcs and shapes, not listed
  text "Drill Drawing" at 1227.06,284.01 h196.85
  text "Symbol" at 4113.25,-530.18 h72
  text "Count" at 4619.12,-530.18 h72
  text "Hole Size" at 5198.97,-530.18 h72
  text "Plated" at 6358.63,-530.18 h72
  text "Hole Type" at 6864.51,-530.18 h72
  text "1" at 4619.12,-680.18 h60
  text "43.31mil (1.100mm)" at 5198.97,-680.18 h60
  text "PTH" at 6358.63,-680.18 h60
  text "Round" at 6864.51,-680.18 h60
  text "1" at 4619.12,-830.18 h60
  text "200.00mil (5.080mm)" at 5198.97,-830.18 h60
  text "PTH" at 6358.63,-830.18 h60
  text "Round" at 6864.51,-830.18 h60
  text "2" at 4619.12,-980.18 h60
  text "30.00mil (0.762mm)" at 5198.97,-980.18 h60
  text "PTH" at 6358.63,-980.18 h60
  text "Round" at 6864.51,-980.18 h60
  text "2" at 4619.12,-1130.18 h60
  text "39.37mil (1.000mm)" at 5198.97,-1130.18 h60
  text "PTH" at 6358.63,-1130.18 h60
  text "Round" at 6864.51,-1130.18 h60
  text "2" at 4619.12,-1280.18 h60
  text "70.08mil (1.780mm)" at 5198.97,-1280.18 h60
  text "PTH" at 6358.63,-1280.18 h60
  text "Round" at 6864.51,-1280.18 h60
  text "2" at 4619.12,-1430.18 h60
  text "134.00mil (3.404mm)" at 5198.97,-1430.18 h60
  text "PTH" at 6358.63,-1430.18 h60
  text "Round" at 6864.51,-1430.18 h60
  text "4" at 4619.12,-1580.18 h60
  text "55.12mil (1.400mm)" at 5198.97,-1580.18 h60
  text "PTH" at 6358.63,-1580.18 h60
  text "Round" at 6864.51,-1580.18 h60
  text "4" at 4619.12,-1730.18 h60
  text "65.00mil (1.651mm)" at 5198.97,-1730.18 h60
  text "PTH" at 6358.63,-1730.18 h60
  text "Round" at 6864.51,-1730.18 h60
  text "S" at 4084.16,-1740.17 h66.67
  text "4" at 4619.12,-1880.18 h60
  text "125.00mil (3.175mm)" at 5198.97,-1880.18 h60
  text "PTH" at 6358.63,-1880.18 h60
  text "Round" at 6864.51,-1880.18 h60
  text "T" at 4084.16,-1890.17 h66.67
  text "4" at 4619.12,-2030.18 h60
  text "165.00mil (4.191mm)" at 5198.97,-2030.18 h60
  text "PTH" at 6358.63,-2030.18 h60
  text "Round" at 6864.51,-2030.18 h60
  text "8" at 4619.12,-2180.18 h60
  text "26.00mil (0.660mm)" at 5198.97,-2180.18 h60
  text "PTH" at 6358.63,-2180.18 h60
  text "Round" at 6864.51,-2180.18 h60
  text "10" at 4619.12,-2330.18 h60
  text "33.07mil (0.840mm)" at 5198.97,-2330.18 h60
  text "PTH" at 6358.63,-2330.18 h60
  text "Round" at 6864.51,-2330.18 h60
  text "10" at 4619.12,-2480.18 h60
  text "46.85mil (1.190mm)" at 5198.97,-2480.18 h60
  text "NPTH" at 6358.63,-2480.18 h60
  text "Round" at 6864.51,-2480.18 h60
  text "13" at 4619.12,-2630.18 h60
  text "37.00mil (0.940mm)" at 5198.97,-2630.18 h60
  text "PTH" at 6358.63,-2630.18 h60
  text "Round" at 6864.51,-2630.18 h60
  text "20" at 4619.12,-2780.18 h60
  text "34.00mil (0.864mm)" at 5198.97,-2780.18 h60
  text "NPTH" at 6358.63,-2780.18 h60
  text "Round" at 6864.51,-2780.18 h60
  text "83" at 4619.12,-2930.18 h60
  text "19.69mil (0.500mm)" at 5198.97,-2930.18 h60
  text "PTH" at 6358.63,-2930.18 h60
  text "Round" at 6864.51,-2930.18 h60
  text "A" at 4084.16,-2940.17 h66.67
  text "104" at 4619.12,-3080.18 h60
  text "40.16mil (1.020mm)" at 5198.97,-3080.18 h60
  text "PTH" at 6358.63,-3080.18 h60
  text "Round" at 6864.51,-3080.18 h60
  text "P" at 4084.16,-3090.17 h66.67
  text "200" at 4619.12,-3230.18 h60
  text "20.00mil (0.508mm)" at 5198.97,-3230.18 h60
  text "PTH" at 6358.63,-3230.18 h60
  text "Round" at 6864.51,-3230.18 h60
  text "337" at 4619.12,-3380.18 h60
  text "11.81mil (0.300mm)" at 5198.97,-3380.18 h60
  text "PTH" at 6358.63,-3380.18 h60
  text "Round" at 6864.51,-3380.18 h60
  text "B" at 4084.16,-3390.17 h66.67
  text "811 Total" at 4619.12,-3530.18 h60

## Dimensions
-11,-2682.5 to 3786.01,-2699.28 on Mechanical 2

## Text inside footprints (layer, text, board x,y; h text height)
JP1: Bottom Overlay "B" at 2713.86,-1456.09 h19.68 r90; Bottom Overlay "A" at 2632.86,-1456.09 h19.68 r90
JP2: Bottom Overlay "B" at 2713.86,-2154.62 h19.68 r90; Bottom Overlay "A" at 2632.86,-2154.62 h19.68 r90